# Allegro board RK_NVR_DEMO_RK3568_DDR4P216SD4_V12_20201221YWQ_final.brd (continued)
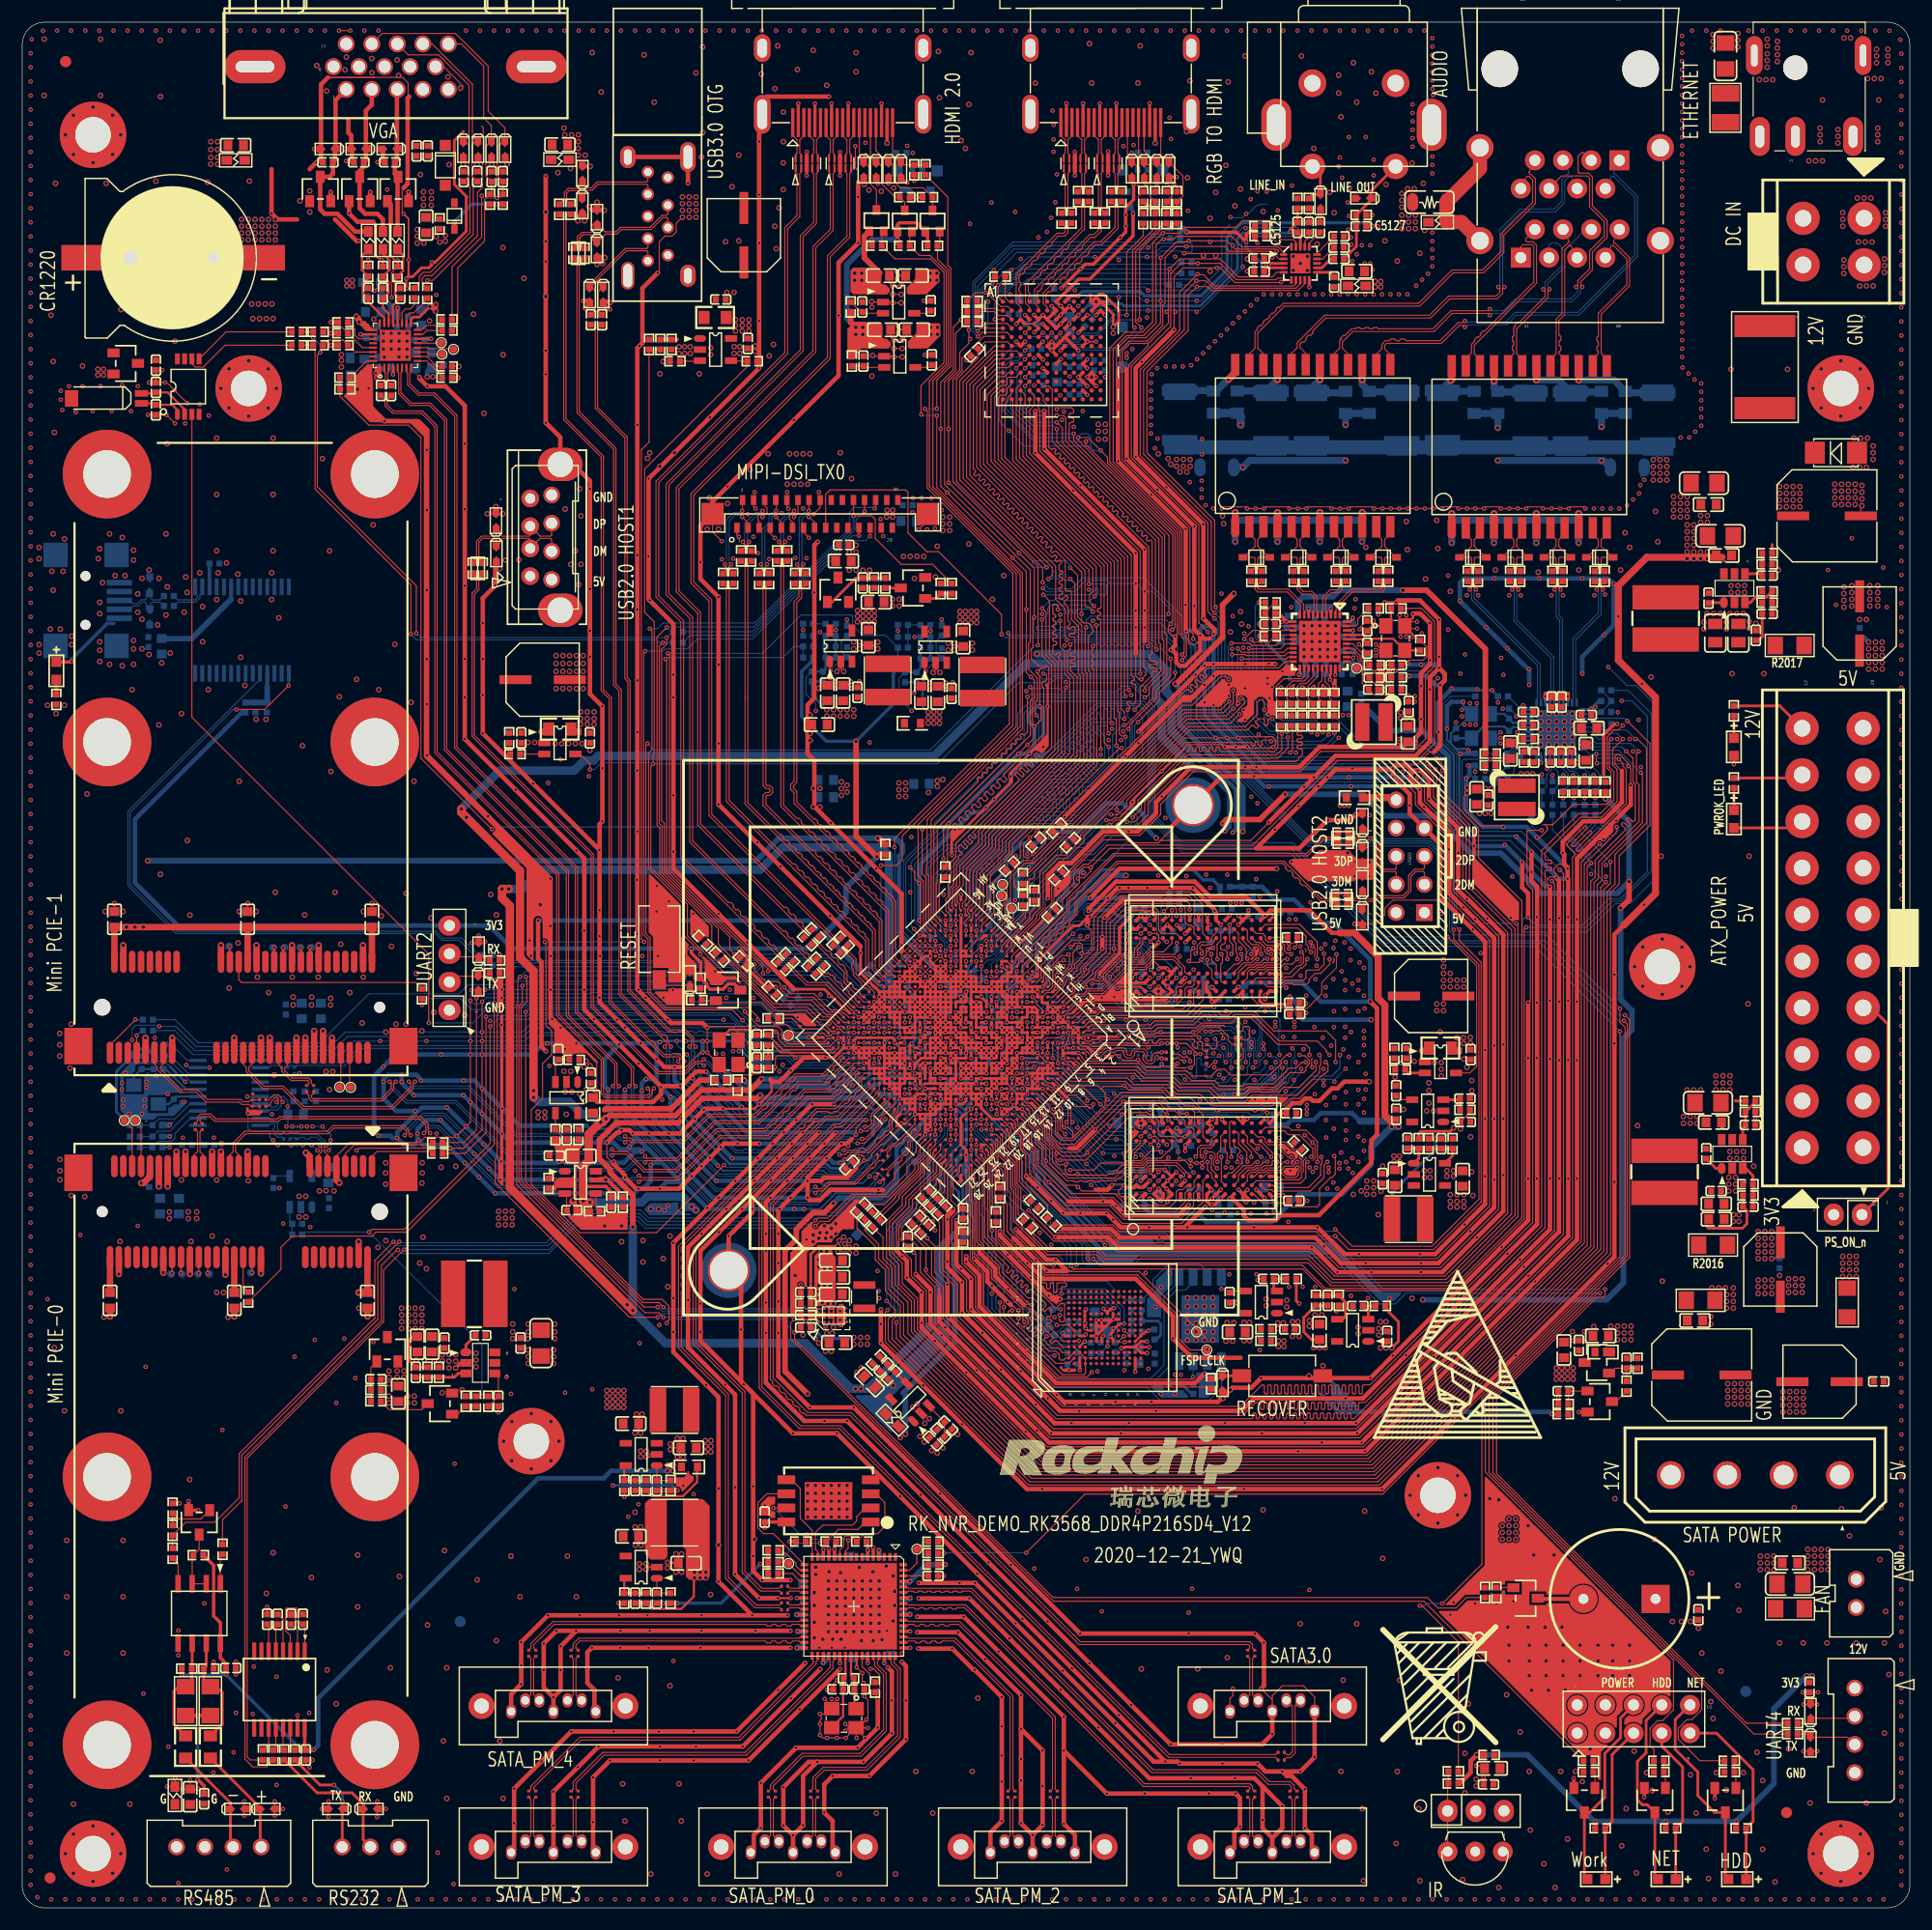
[diagram p0: board, top side]
## Routing (per net, layer and track width the routed paths; a pad name or vN(x,y) marks a point on that pad's centre or on a via; arc(x,y) is an arc through that point) (continued)
GMAC0_RXD1: length 140.6
  TOP w0.102: U1000.H25 v1(82.74,70.16) ; v1(143.1,94.28) 143.1,94.28 143.1,92.35 142.49,91.75 142.49,59.18 122.02,38.71 90.93,38.71 78.38,51.26 78.38,52.97 78.69,53.27 78.69,53.9 v1(77.89,54.7)
  BOTTOM w0.089: 81.29,68.24 81.48,68.43
  BOTTOM w0.102: v1(143.1,94.28) 139.82,97.56 R6741.2 ; 81.29,68.24 80.92,67.88 80.92,64.03 77.89,61 v1(77.89,54.7) ; 81.48,68.43 82.74,69.69 v1(82.74,70.16)
GMAC0_RXD2: length 137.9
  TOP w0.102: U1000.E27 83.2,67.88 82.41,67.09 82.41,66.36 79.91,63.86 79.91,63.2 78.42,61.71 78.42,58.99 79.3,58.12 79.3,56.3 80.67,54.93 80.67,52.14 92.03,40.78 121.17,40.78 140.47,60.07 140.47,94.26 v1(142.14,95.93)
  BOTTOM w0.102: R6742.2 140.91,98.52 141.29,98.15 141.29,98 140.71,97.42 140.71,97.29 140.79,97.2 140.92,97.2 141.51,97.79 141.64,97.79 141.73,97.71 141.73,97.58 141.14,96.99 141.14,96.86 141.23,96.77 141.35,96.77 141.94,97.36 142.07,97.36 142.16,97.27 142.16,97.15 141.57,96.56 141.57,96.43 141.66,96.34 141.78,96.34 142.37,96.93 142.5,96.93 142.99,96.45 142.99,96.3 142.45,95.76 142.3,95.76 v1(142.14,95.93)
GMAC0_RXD3: length 135.9
  TOP w0.102: v1(143.64,97.43) 143.64,96.94 140.75,94.05 140.75,59.95 121.29,40.49 91.92,40.49 80.38,52.02 80.38,54.81 78.99,56.2 78.99,58.01 78.13,58.88 78.13,61.83 79.6,63.3 79.6,63.93 82.07,66.4 82.07,67.19 U1000.E28
  BOTTOM w0.102: R6743.2 141.75,98.12 141.92,97.95 142.05,97.95 142.31,98.21 142.43,98.21 142.52,98.12 142.52,97.99 142.26,97.73 142.26,97.61 142.35,97.52 142.48,97.52 142.74,97.77 142.86,97.77 142.95,97.69 142.95,97.56 142.7,97.3 142.7,97.18 143.2,96.67 143.35,96.67 143.81,97.13 143.81,97.27 v1(143.64,97.43)
GMAC0_RXDV_CRS: length 139.4
  TOP w0.102: v1(142.69,92.46) 142.23,91.99 142.23,59.37 121.87,39.01 91.08,39.01 91.06,39.03 78.76,51.34 v1(78.76,52.77) ; U1000.F24 v1(84.12,69.7)
  BOTTOM w0.102: R6745.2 137.89,97.16 142.59,92.46 v1(142.69,92.46) ; v1(78.76,52.77) 78.89,52.9 78.89,60.05 83.16,64.31 83.16,68.17 84.12,69.14 v1(84.12,69.7)
GMAC0_TXCLK: length 143.5
  TOP w0.102: R1510.2 80.57,63.45 80.57,63.04 78.99,61.47 78.99,59.54 80.11,58.42 80.11,56.97 81.45,55.64 81.45,52.47 92.36,41.55 120.85,41.55 139.69,60.39 139.69,94.7 139.9,94.9 139.9,95.03 139.16,95.77 139.16,95.89 140.77,97.5 140.9,97.5 140.99,97.42 140.99,97.29 139.59,95.89 139.59,95.77 139.68,95.68 139.81,95.68 141.2,97.07 141.33,97.07 141.42,96.98 141.42,96.86 140.02,95.46 140.02,95.33 140.11,95.25 140.24,95.25 144.53,99.53 144.53,102.62 144.22,102.92 144.22,103.17 v1(143.86,103.53)
  BOTTOM w0.102: v1(143.86,103.53) 143.76,103.63 141.6,103.63 140.81,104.42 U6700.20
GMAC0_TXD0: length 138.5
  TOP w0.102: v1(144.53,104.24) 145.14,103.63 145.14,101.49 145.34,101.29 145.34,98.04 145.22,97.93 145.1,97.93 144.77,98.26 144.64,98.26 144.55,98.17 144.55,98.04 144.88,97.71 144.88,97.59 144.79,97.5 144.67,97.5 144.33,97.83 144.21,97.83 144.12,97.74 144.12,97.61 144.45,97.28 144.45,97.15 141.73,94.43 141.73,92.92 141.33,92.51 141.33,59.61 121.64,39.93 91.66,39.93 79.81,51.79 79.81,54.58 78.38,56 78.38,57.7 77.56,58.52 77.56,60.44 R1511.2
  BOTTOM w0.102: v1(144.53,104.24) 144.12,104.65 141.71,104.65 141.13,105.22 U6700.18
GMAC0_TXD1: length 139.4
  TOP w0.102: v1(145.64,104.24) 145.44,104.04 145.44,101.47 145.68,101.23 145.68,97.93 142.03,94.29 142.03,92.81 141.62,92.4 141.62,59.53 121.72,39.62 91.41,39.62 79.41,51.62 79.41,54.41 78.08,55.75 78.08,57.61 77.17,58.52 77.17,59.84 75.93,61.08 R1512.2
  BOTTOM w0.102: U6700.17 141.14,105.62 141.81,104.95 144.93,104.95 v1(145.64,104.24)
GMAC0_TXD2: length 140.8
  TOP w0.102: R1508.2 82.96,62.15 82.96,57.51 84.28,56.18 84.28,53.38 93.27,44.39 109.96,44.39 111.14,45.57 111.49,45.57 111.58,45.48 111.58,45 111.67,44.91 111.79,44.91 111.88,45 111.88,45.48 111.97,45.57 112.1,45.57 112.19,45.48 112.19,45 112.28,44.91 112.4,44.91 112.49,45 112.49,45.48 112.58,45.57 112.71,45.57 112.8,45.48 112.8,45 112.89,44.91 113.01,44.91 113.1,45 113.1,45.48 113.19,45.57 113.32,45.57 113.41,45.48 113.41,45 113.5,44.91 113.62,44.91 113.71,45 113.71,45.48 113.8,45.57 113.93,45.57 114.02,45.48 114.02,45 114.11,44.91 114.23,44.91 114.32,45 114.32,45.48 114.41,45.57 114.54,45.57 114.63,45.48 114.63,45 114.72,44.91 114.84,44.91 114.93,45 114.93,45.48 115.02,45.57 115.15,45.57 115.24,45.48 115.24,45 115.33,44.91 115.45,44.91 115.54,45 115.54,45.48 115.63,45.57 115.76,45.57 115.85,45.48 115.85,45 115.93,44.91 116.06,44.91 116.15,45 116.15,45.48 116.24,45.57 116.37,45.57 116.46,45.48 116.46,45 116.54,44.91 116.67,44.91 116.76,45 116.76,45.48 116.85,45.57 116.98,45.57 117.06,45.48 117.06,45 117.15,44.91 117.28,44.91 117.37,45 117.37,45.48 117.46,45.57 117.59,45.57 117.67,45.48 117.67,45 117.76,44.91 117.89,44.91 117.98,45 117.98,45.48 118.07,45.57 118.19,45.57 118.28,45.48 118.28,45 118.37,44.91 118.5,44.91 118.59,45 118.59,45.48 118.68,45.57 118.8,45.57 118.89,45.48 118.89,45 118.98,44.91 119.11,44.91 119.2,45 119.2,45.48 119.29,45.57 119.41,45.57 119.5,45.48 119.5,45 119.59,44.91 119.72,44.91 119.81,45 119.81,45.48 119.9,45.57 120.02,45.57 120.11,45.48 120.11,45 120.2,44.91 120.33,44.91 120.42,45 120.42,45.48 120.51,45.57 121.02,45.57 136.91,61.46 136.91,95.3 140.26,98.65 142.21,98.65 143.41,99.85 143.41,102.41 143,102.82 143,105.17 v1(143.2,105.36)
  BOTTOM w0.102: v1(143.2,105.36) 142.01,105.36 141.35,106.02 U6700.16
GMAC0_TXD3: length 142
  TOP w0.102: v1(144.22,105.36) 143.31,104.44 143.31,103.02 143.71,102.62 143.71,99.73 142.29,98.3 140.41,98.3 137.21,95.1 137.21,94.53 137.3,94.44 137.73,94.44 137.82,94.35 137.82,94.22 137.73,94.13 137.3,94.13 137.21,94.04 137.21,93.92 137.3,93.83 137.73,93.83 137.82,93.74 137.82,93.61 137.73,93.52 137.3,93.52 137.21,93.43 137.21,61.32 119.98,44.08 119.8,44.08 119.71,44.17 119.71,44.51 119.62,44.6 119.5,44.6 119.41,44.51 119.41,44.17 119.32,44.08 119.19,44.08 119.1,44.17 119.1,44.51 119.01,44.6 118.89,44.6 118.8,44.51 118.8,44.17 118.71,44.08 118.58,44.08 118.49,44.17 118.49,44.51 118.4,44.6 118.28,44.6 118.19,44.51 118.19,44.17 118.1,44.08 117.97,44.08 117.88,44.17 117.88,44.51 117.79,44.6 117.67,44.6 117.58,44.51 117.58,44.17 117.49,44.08 117.36,44.08 117.27,44.17 117.27,44.51 117.18,44.6 117.06,44.6 116.97,44.51 116.97,44.17 116.88,44.08 116.75,44.08 116.66,44.17 116.66,44.51 116.57,44.6 116.45,44.6 116.36,44.51 116.36,44.17 116.27,44.08 116.14,44.08 116.05,44.17 116.05,44.51 115.96,44.6 115.84,44.6 115.75,44.51 115.75,44.17 115.66,44.08 115.53,44.08 115.44,44.17 115.44,44.51 115.35,44.6 115.23,44.6 115.14,44.51 115.14,44.17 115.05,44.08 114.92,44.08 114.83,44.17 114.83,44.51 114.75,44.6 114.62,44.6 114.53,44.51 114.53,44.17 114.44,44.08 114.31,44.08 114.22,44.17 114.22,44.51 114.14,44.6 114.01,44.6 113.92,44.51 113.92,44.17 113.83,44.08 113.7,44.08 113.62,44.17 113.62,44.51 113.53,44.6 113.4,44.6 113.31,44.51 113.31,44.17 113.22,44.08 113.09,44.08 113.01,44.17 113.01,44.51 112.92,44.6 112.79,44.6 112.7,44.51 112.7,44.17 112.61,44.08 112.49,44.08 112.4,44.17 112.4,44.51 112.31,44.6 112.18,44.6 112.09,44.51 112.09,44.17 112,44.08 111.88,44.08 111.79,44.17 111.79,44.51 111.7,44.6 111.57,44.6 111.48,44.51 111.48,44.17 111.39,44.08 111.27,44.08 111.18,44.17 111.18,44.51 111.09,44.6 110.96,44.6 110.87,44.51 110.87,44.17 110.78,44.08 93.14,44.08 83.97,53.25 83.97,56.08 82.65,57.4 82.65,61.77 81.83,62.6 R1509.2
  BOTTOM w0.102: v1(144.22,105.36) 143.71,105.87 141.88,105.87 141.33,106.42 U6700.15
GMAC0_TXEN: length 139.9
  TOP w0.102: v1(145.85,102.33) 145.98,102.19 145.98,97.8 142.34,94.16 142.34,92.61 141.92,92.2 141.92,59.42 121.82,39.32 91.29,39.32 79.11,51.5 79.11,54.29 77.77,55.62 77.77,57.51 76.86,58.42 76.86,59.64 75.22,61.28 R1513.2
  BOTTOM w0.102: U6700.19 141.13,104.82 141.6,104.34 143.84,104.34 145.85,102.33 v1(145.85,102.33)
GMAC1_MCLKINOUT_M1: length 53.8
  TOP w0.102: R6810.1 C6803.1 123.7,111.68 123.7,111.53 v1(123.72,111.51) ; v1(127.56,110.85) 127.25,110.54 127.25,104.95 125.73,103.43 118.52,103.43 110.89,95.8 97.79,95.8 96.04,94.06 95.61,94.06 94.74,93.19 94.74,92.31 93.22,90.79 93.22,90.44 93.13,90.35 R1667.2
  BOTTOM w0.102: v1(127.56,110.85) 126.9,111.51 v1(123.72,111.51) 123.7,111.53 123.7,111.6 123.34,111.96 R6813.1
GMAC1_MDC_M1: length 55.4
  TOP w0.089: U1000.U5 v1(87.34,83.95)
  TOP w0.102: v1(110.11,114.38) 110.88,115.15 U6800.13 ; v1(114.05,105.51) 114.05,104.55 113.13,103.63 105.11,103.63 101.14,99.67 101.14,98.81 100.23,97.89 v1(99.54,97.89)
  BOTTOM w0.089: v1(87.34,83.95) 87.34,85.1 89.03,86.79 89.03,86.94 89.66,87.58 89.66,87.76
  BOTTOM w0.102: v1(114.05,105.51) 114,105.46 113.1,105.46 112.79,105.77 112.32,105.77 110.89,107.19 110.89,113.68 110.2,114.38 v1(110.11,114.38) ; 89.66,87.76 89.66,88.4 91.47,90.21 91.47,91.62 95.12,95.28 96.27,95.28 97.92,96.93 98.58,96.93 v1(99.54,97.89)
GMAC1_MDIO_M1: length 52.5
  TOP w0.089: U1000.U4 v1(87.8,84.41)
  TOP w0.102: v1(113.48,105.84) 113.48,104.39 113.03,103.94 105,103.94 100.84,99.77 100.84,99.09 v1(100.05,98.3) ; U6800.14 113,114.75 R6837.2 112.35,114.1 110.99,114.1 v1(110.76,114.33)
  BOTTOM w0.089: 89.92,87.51 89.92,87.41 87.8,85.29 v1(87.8,84.41)
  BOTTOM w0.102: v1(110.76,114.33) 110.76,114.2 111.2,113.76 111.2,107.32 112.45,106.07 113.25,106.07 v1(113.48,105.84) ; v1(100.05,98.3) 100.05,97.89 98.78,96.62 98.22,96.62 96.54,94.95 95.3,94.95 91.77,91.41 91.77,90.13 89.92,88.27 89.92,87.51
GMAC1_RSTN_GPIO1_B1: length 132.2
  TOP w0.102: v1(127.46,103.63) 127.46,103.53 128.37,102.62 128.37,100.18 131.22,97.33 131.22,94.67 135.12,90.76 135.12,62.19 128.77,55.83 117.42,55.83 115.31,57.94 97.08,57.94 v1(96.52,58.5) ; R6839.1 v1(111.43,117.68) ; U1000.E20 v1(86.42,71.08)
  BOTTOM w0.089: v1(86.42,71.08) 86.96,71.08 87.83,70.21
  BOTTOM w0.102: v1(111.43,117.68) 111.1,117.35 111.1,114.49 111.81,113.79 111.81,108.71 113.51,107.01 116.59,107.01 117.02,106.58 118.54,106.58 120.65,104.47 126.62,104.47 v1(127.46,103.63) ; 87.83,70.21 87.83,70.13 90.42,67.54 90.42,66.97 90.94,66.46 90.94,64.91 96.52,59.32 v1(96.52,58.5)
GMAC1_RXCLK_M1: length 44.1
  TOP w0.102: v1(98.09,98.55) 98.7,98.55 99.52,99.36 99.52,99.82 104.75,105.05 110.68,105.05 110.77,104.97 110.77,104.84 110.86,104.75 110.98,104.75 111.07,104.84 111.07,105.07 111.16,105.16 111.29,105.16 111.38,105.07 111.38,104.84 111.47,104.75 111.59,104.75 111.68,104.84 111.68,105.16 111.79,105.26 112.42,105.26 v1(112.52,105.16) ; R6844.2 v1(118.25,105.9) ; U1000.Y3 v1(87.34,86.71)
  BOTTOM w0.102: v1(98.09,98.55) 97.7,98.55 95.49,96.34 93.24,96.34 91.83,94.93 91.83,94.43 89.87,92.46 89.87,90.73 89.02,89.88 C6822.1 88.49,89.51 88.49,88.93 88.49,88.93 88.49,88.02 87.34,86.87 v1(87.34,86.71) ; v1(112.52,105.16) 112.83,105.16 113.13,104.85 117.5,104.85 118.25,105.6 v1(118.25,105.9)
GMAC1_RXD0_M1: length 42.4
  TOP w0.102: v1(111.91,108) 111.91,108.71 111.73,108.89 111.48,108.89 111.3,108.71 111.3,107.59 110.19,106.48 105.11,106.48 95.35,96.72 95.35,96.22 94.03,94.89 93.22,94.89 91.69,93.37 91.69,90.12 91.08,89.51 91.08,89.25 88.72,86.88 U1000.W1 ; v1(116.18,105.97) 116.32,106.1 R6840.2
  BOTTOM w0.102: v1(116.18,105.97) 115.65,106.5 112.8,106.5 111.91,107.39 v1(111.91,108)
GMAC1_RXD1_M1: length 45.4
  TOP w0.102: v1(86.42,84.87) 86.42,83.95 U1000.V7 ; R6841.2 115.35,106.09 115.26,106 114.95,106 114.86,105.91 114.86,105.78 114.95,105.7 115.26,105.7 115.35,105.61 115.35,105.48 115.26,105.39 114.95,105.39 114.86,105.3 114.86,105.18 114.95,105.09 115.26,105.09 115.35,105 115.35,104.87 115.26,104.78 114.95,104.78 114.86,104.69 114.86,104.57 114.95,104.48 115.26,104.48 115.35,104.39 115.35,103.92 114.76,103.33 105.21,103.33 101.45,99.57 101.45,98.55 100.33,97.43 98.91,97.43 v1(98.7,97.64)
  BOTTOM w0.089: v1(86.42,84.87) 87,85.45 87.38,85.45 88.77,86.84 88.77,87.07 89.41,87.71 89.41,88.02
  BOTTOM w0.102: 89.41,88.02 89.41,88.53 91.16,90.28 91.16,91.82 94.92,95.58 96.06,95.58 97.71,97.23 98.3,97.23 v1(98.7,97.64)
GMAC1_RXD2_M1: length 43.3
  TOP w0.102: U1000.AA2 87.34,87.63 88.54,88.83 88.54,90.32 89.05,90.83 89.05,92.96 89.05,93.27 90.19,94.41 91,94.41 104.6,108 108.01,108 v1(108.76,108.75) ; R6842.2 114.45,106.48 114.45,104.34 v1(114.25,104.14)
  BOTTOM w0.102: v1(108.76,108.75) 108.76,107.9 112.52,104.14 v1(114.25,104.14)
GMAC1_RXD3_M1: length 41.7
  TOP w0.102: v1(97.98,97.64) 98.09,97.64 98.5,98.04 99.11,98.04 100.53,99.47 100.53,99.82 104.95,104.24 105.04,104.24 105.13,104.33 105.13,104.56 105.22,104.65 105.35,104.65 105.44,104.56 105.44,104.33 105.53,104.24 105.65,104.24 105.74,104.33 105.74,104.56 105.83,104.65 105.96,104.65 106.05,104.56 106.05,104.33 106.14,104.24 106.26,104.24 106.35,104.33 106.35,104.56 106.44,104.65 106.57,104.65 106.66,104.56 106.66,104.33 106.75,104.24 106.87,104.24 106.96,104.33 106.96,104.56 107.05,104.65 107.18,104.65 107.27,104.56 107.27,104.33 107.36,104.24 107.48,104.24 107.57,104.33 107.57,104.56 107.66,104.65 107.79,104.65 107.88,104.56 107.88,104.33 107.97,104.24 112.83,104.24 113.13,104.55 113.13,106.26 R6843.2 ; U1000.Y4 v1(86.88,86.25)
  BOTTOM w0.102: v1(97.98,97.64) 97.64,97.64 95.93,95.93 93.85,95.93 93.32,95.4 93.32,95.15 90.55,92.38 90.55,90.31 88.9,88.66 88.9,87.83 88.16,87.09 88.16,86.79 87.56,86.19 86.94,86.19 v1(86.88,86.25)
GMAC1_RXDV_CRS_M1: length 43
  TOP w0.102: R6845.2 117.28,106.05 v1(117.2,105.97) ; v1(112.62,107.19) 112.32,107.19 112.24,107.1 112.24,106.67 112.15,106.58 112.02,106.58 111.93,106.67 111.93,107.1 111.84,107.19 111.4,107.19 111.14,106.93 111.14,106.8 111.37,106.57 111.37,106.45 111.28,106.36 111.16,106.36 110.93,106.59 110.8,106.59 110.39,106.17 105.21,106.17 95.66,96.62 95.66,96.11 94.13,94.59 93.34,94.59 92,93.24 92,90.08 91.39,89.47 91.39,89.2 89.15,86.97 89.15,86.68 88.72,86.25 U1000.V2
  BOTTOM w0.102: v1(112.62,107.19) 113.06,106.76 116.2,106.76 116.98,105.97 v1(117.2,105.97)
GMAC1_TXCLK_M1: length 32.8
  TOP w0.102: R1645.2 91.66,96.66 99.19,104.2 99.27,104.2 104.9,109.84 105.03,109.84 105.26,109.61 105.39,109.61 105.48,109.7 105.48,109.82 105.25,110.05 105.25,110.18 105.34,110.27 105.47,110.27 105.7,110.04 105.82,110.04 105.91,110.13 105.91,110.25 105.68,110.48 105.68,110.61 105.77,110.7 105.9,110.7 106.13,110.47 106.25,110.47 106.34,110.56 106.34,110.68 106.11,110.91 106.11,111.04 106.2,111.13 106.33,111.13 106.56,110.9 106.68,110.9 106.77,110.99 106.77,111.12 106.54,111.35 106.54,111.47 106.83,111.76 113.21,111.76 113.8,112.35 U6800.20
GMAC1_TXD0_M1: length 38.4
  TOP w0.102: v1(109.02,112.98) 110.19,112.98 110.29,112.88 113.77,112.88 114.04,113.15 U6800.18 ; R1650.2 89.36,92.09 89.36,93.17 90.37,94.18 91.19,94.18 104.73,107.73 108.24,107.73 109.12,108.6 v1(109.12,109.73)
  BOTTOM w0.102: v1(109.12,109.73) 109.12,111.1 109.02,111.2 v1(109.02,112.98)
GMAC1_TXD1_M1: length 36
  TOP w0.102: v1(109.12,108.1) 108.46,107.44 104.85,107.44 90.98,93.57 90.62,93.21 R1652.2 ; v1(109.53,113.53) 109.87,113.18 113.66,113.18 114.03,113.55 U6800.17
  BOTTOM w0.102: v1(109.12,108.1) 109.12,109.17 109.53,109.58 v1(109.53,113.53)
GMAC1_TXD2_M1: length 30.2
  TOP w0.102: v1(110.54,113.53) 110.54,113.53 110.59,113.49 113.36,113.49 113.82,113.95 U6800.16 ; v1(109.68,107.6) 108.85,106.78 105,106.78 94.76,96.53 R1641.2
  BOTTOM w0.102: v1(110.54,113.53) 110.54,109.03 109.68,108.16 v1(109.68,107.6)
GMAC1_TXD3_M1: length 30.1
  TOP w0.102: v1(108.97,114) 110.59,114 110.79,113.79 112.95,113.79 113.51,114.35 U6800.15 ; R1643.2 93.84,97.65 104.6,108.41 105.41,108.41 108,111 108.45,111 v1(108.71,110.74)
  BOTTOM w0.102: v1(108.71,110.74) 108.66,110.79 108.66,113.69 v1(108.97,114)
GMAC1_TXEN_M1: length 36.8
  TOP w0.102: v1(109.83,109.02) 110.04,109.02 110.14,108.92 110.14,108.56 108.73,107.16 104.97,107.16 91.19,93.37 91.19,92.85 91.08,92.75 90.78,92.75 90.68,92.65 90.68,92.44 90.78,92.34 91.08,92.34 91.19,92.24 R1654.2 ; U6800.19 114.04,112.75 113.87,112.57 109.93,112.57 v1(109.88,112.62)
  BOTTOM w0.102: v1(109.88,112.62) 109.83,112.58 109.83,109.02 v1(109.83,109.02)
GPIO2_A6: length 4.6
  TOP w0.102: U1000.C27 84.12,66.95 83.36,66.19 83.36,63.4 R1508.1
GPIO2_A7: length 3.5
  TOP w0.102: U1000.C28 83.66,66.85 83.06,66.24 83.06,64.52 R1509.1
GPIO2_B0: length 4
  TOP w0.102: R1510.1 82.35,65.23 82.35,65.66 82.85,66.17 82.85,66.42 83.29,66.85 83.29,67.03 83.66,67.4 U1000.D27
GPIO2_B3: length 8.4
  TOP w0.102: U1000.F28 82.04,68.08 82.04,67.77 81.12,66.85 81.12,66.31 78.99,64.19 78.99,63.9 77.28,62.18 R1511.1
GPIO2_B4: length 9.4
  TOP w0.102: U1000.G27 82.28,68.78 81.84,68.34 81.84,67.86 80.91,66.93 80.91,66.39 78.69,64.17 78.69,64.02 77.37,62.7 R1512.1
GPIO2_B5: length 8.9
  TOP w0.102: U1000.G28 81.64,68.6 81.64,68 80.71,67.07 80.71,66.48 77.65,63.41 R1513.1
GPIO2_C1: length 10.9
  TOP w0.102: R1515.1 v1(82.04,61.87) ; U1000.G23 v1(84.12,70.62)
  BOTTOM w0.089: 83.46,66.06 83.46,68.17 84.45,69.16 84.45,70.29 v1(84.12,70.62)
  BOTTOM w0.102: 83.46,66.06 83.46,64.01 82.04,62.59 v1(82.04,61.87)
GPIO2_C2: length 8.6
  TOP w0.102: U1000.F25 v1(83.66,69.24) ; R1516.1 81.23,62.69 v1(81.23,62.89)
  BOTTOM w0.089: 82.35,67.18 82.96,67.79 82.96,68.54 v1(83.66,69.24)
  BOTTOM w0.102: 82.35,67.18 82.35,64.01 v1(81.23,62.89)
GPIO3_D6_D: length 14.8
  TOP w0.102: U1000.Y6 v1(85.96,85.33) ; R1641.1 v1(93.73,95.3)
  BOTTOM w0.102: v1(85.96,85.33) 86.46,85.33 86.89,85.75 87.21,85.75 87.44,85.98 87.64,85.98 88.52,86.86 88.52,87.1 89.15,87.74 89.15,88.62 90.86,90.32 90.86,92.25 93.73,95.12 v1(93.73,95.3)
GPIO3_D7_D: length 15.6
  TOP w0.102: v1(92.58,96.48) 92.58,96.7 R1643.1 ; U1000.Y5 v1(86.42,85.79)
  BOTTOM w0.089: 87.63,89.8 87.63,88.26 87.06,87.69 86.67,87.69 86.67,87.68 86.36,87.38 86.36,87.11 86.1,86.84 86.1,86.11 v1(86.42,85.79)
  BOTTOM w0.102: v1(92.58,96.48) 91.65,95.55 90.34,95.55 90.02,95.23 90.02,94.19 87.63,91.81 87.63,89.8
GPIO4_A0_D: length 10.9
  TOP w0.102: v1(90.57,95) 90.57,95.3 R1645.1 ; v1(86.88,87.17) 86.88,87.17 U1000.AA3
  BOTTOM w0.089: v1(86.88,87.17) 86.92,87.21 87.13,87.21 88.09,88.16 88.09,89.34
  BOTTOM w0.102: 88.09,89.34 88.09,91.69 90.57,94.17 v1(90.57,95)
GPIO4_A4_D: length 4.7
  TOP w0.102: U1000.Y2 87.8,87.17 87.8,87.17 90.17,89.54 R1650.1
GPIO4_A5_D: length 6.4
  TOP w0.102: R1652.1 90.68,91.8 90.68,90.02 90.37,89.71 90.37,89.28 U1000.Y1
GPIO4_A6_D: length 5.8
  TOP w0.102: U1000.W2 88.26,86.71 90.78,89.23 90.78,89.71 91.19,90.12 R1654.1
GPIO4_B3_D: length 8.1
  TOP w0.102: U1000.V1 89.18,86.42 89.41,86.65 89.41,86.93 91.69,89.22 91.69,89.49 92.77,90.56 92.77,92.41 R1660.1
GPIO4_C1_D: length 5.5
  TOP w0.102: U1000.U2 89.18,85.8 89.82,86.44 89.94,86.44 92.49,88.99 R1667.1
HDD_LED+: length 14.2
  TOP w0.254: LED9002.1 R9005.2 149.61,7.79 149.61,12.7 147.73,14.58 J9001.7
HDD_LED-: length 17.6
  TOP w0.254: LED9002.2 147.11,2.86 Q9002.3 146.41,9.3 145.97,9.3 145.53,9.74 145.53,13.2 146.32,13.98 146.32,16.88 J9001.8
HDD_LED_EN_H_GPIO4_C5: length 175.7
  TOP w0.102: R9008.1 147.02,14.27 146.68,14.61 146.68,16.18 147.36,16.87 147.8,16.87 148.78,17.85 148.78,22.34 131.83,39.29 131.83,45.95 144.62,58.75 144.62,79.67 v1(144.32,79.98) ; U1000.AD8 v1(83.2,86.25)
  BOTTOM w0.102: v1(83.2,86.25) 83.1,86.35 83.1,87 81.4,88.69 81.4,93.96 83.26,95.81 84.07,95.81 96.82,108.56 100.89,108.56 101.65,107.8 101.65,98.31 104.56,95.4 114.38,95.4 122.81,86.97 136.8,86.97 143.8,79.98 v1(144.32,79.98)
HDMI14_TX0N: length 10.7
  TOP w0.097: U5100.A5 91.45,144.9 91.45,145.71 91.49,145.75 91.65,145.75 91.86,145.96 91.86,146.16 92.06,146.37 92.26,146.37 92.47,146.57 92.47,146.77 92.67,146.98 92.88,146.98 93.08,147.18 93.08,147.39 93.29,147.59 93.49,147.59 93.69,147.8 93.69,148 93.9,148.2 94.1,148.2 94.31,148.41 94.31,148.61 94.5,148.81 94.72,148.81 94.92,149.01 94.92,149.22 95.11,149.42 95.33,149.42 95.53,149.62 95.53,149.83 96.27,150.58 96.65,150.58 97.22,151.15 97.22,151.54 R5106.1
HDMI14_TX0N_PORT: length 8.5
  TOP w0.097: J5100.9 97.59,159.74 97.22,159.38 97.22,158.17 97.35,158.05 U5104.9 U5104.2 97.35,156.45 97.22,156.33 97.22,153.11 R5106.2
HDMI14_TX0P: length 10.8
  TOP w0.097: R5104.1 96.97,151.54 96.97,151.25 96.55,150.83 96.17,150.83 91.2,145.86 91.2,144.65 91.56,144.29 U5100.B5
HDMI14_TX0P_PORT: length 8.6
  TOP w0.097: R5104.2 96.97,153.11 96.97,156.33 96.85,156.45 U5104.1 U5104.10 96.85,158.05 96.97,158.17 96.97,159.37 96.59,159.76 J5100.7
HDMI14_TX1N: length 12.1
  TOP w0.097: R5103.1 95.72,153.47 95.72,151.35 94.29,149.91 94.29,149.7 94.09,149.5 93.88,149.5 93.65,149.28 93.65,149.06 93.46,148.87 93.24,148.87 93,148.62 93,148.42 92.79,148.21 92.59,148.21 92.38,148.01 92.38,147.81 92.18,147.6 91.97,147.6 91.77,147.4 91.77,147.19 91.57,146.99 91.36,146.99 91.16,146.78 91.16,146.58 90.95,146.38 90.75,146.38 90.65,146.27 90.65,145.67 90.78,145.54 90.78,145.25 90.65,145.12 90.65,144.9 U5100.A4
HDMI14_TX1N_PORT: length 6.6
  TOP w0.097: J5100.6 96.09,159.74 95.72,159.38 95.72,158.49 95.72,158.17 95.85,158.05 U5102.6 U5102.5 95.85,156.45 95.72,156.33 95.72,155.04 R5103.2
HDMI14_TX1P: length 12.2
  TOP w0.097: R5102.1 95.47,153.47 95.47,151.45 90.4,146.38 90.4,144.65 90.76,144.29 U5100.B4
HDMI14_TX1P_PORT: length 6.6
  TOP w0.097: J5100.4 95.09,159.76 95.47,159.37 95.47,158.6 95.47,158.17 95.35,158.05 U5102.7 U5102.4 95.35,156.45 95.47,156.33 95.47,155.04 R5102.2
HDMI14_TX2N: length 10.3
  TOP w0.097: U5100.A3 89.81,144.94 89.81,145.12 89.97,145.27 89.97,145.56 89.81,145.72 89.81,146.01 89.97,146.17 89.97,146.46 89.81,146.62 89.81,147.16 89.93,147.28 90.13,147.28 90.33,147.48 90.33,147.69 90.54,147.89 90.74,147.89 90.95,148.1 90.95,148.3 91.15,148.5 91.35,148.5 91.56,148.71 91.56,148.91 91.76,149.11 91.97,149.11 92.17,149.31 92.17,149.52 92.37,149.72 92.58,149.72 92.78,149.92 92.78,150.13 93.35,150.7 93.94,150.7 94.22,150.98 94.22,151.54 R5101.1
HDMI14_TX2N_PORT: length 8.5
  TOP w0.097: R5101.2 94.22,153.11 94.22,156.33 94.35,156.45 U5102.2 U5102.9 94.35,158.05 94.22,158.17 94.22,159.38 94.59,159.74 J5100.3
HDMI14_TX2P: length 10.4
  TOP w0.097: R5100.1 93.97,151.54 93.97,151.09 93.84,150.95 93.25,150.95 89.56,147.27 89.56,144.69 89.96,144.29 U5100.B3
HDMI14_TX2P_PORT: length 8.6
  TOP w0.097: J5100.1 93.59,159.76 93.97,159.37 93.97,158.17 93.85,158.05 U5102.10 U5102.1 93.85,156.45 93.97,156.33 93.97,153.11 R5100.2
HDMI14_TX_CEC: length 16.8
  TOP w0.102: v1(99.52,143.58) 99.52,149.25 101,150.74 R5113.1 ; U5100.E7 v1(93.56,141.99)
  BOTTOM w0.102: v1(93.56,141.99) 93.56,141.67 93.88,141.35 95.06,141.35 95.66,141.94 96.75,141.94 98.4,143.58 v1(99.52,143.58)
HDMI14_TX_CEC_PORT: length 9.2
  TOP w0.102: J5100.13 99.59,157.66 ED5103.1 100.12,157.28 100.5,156.9 100.5,155.21 R5109.2 100.57,154.27 100.57,153.16 R5113.2
HDMI14_TX_HPD_PORT: length 9.3
  TOP w0.102: J5100.19 102.59,158.01 ED5100.1 103.41,157.28 104.58,156.11 104.58,154.34 R5118.1 R5116.2
HDMI14_TX_HPDIN: length 20.4
  TOP w0.102: v1(100.68,143.14) 100.68,149.39 102.63,151.33 103.36,151.33 103.51,151.49 103.51,151.6 103.75,151.83 R5116.1 ; U5100.E6 v1(92.76,141.99)
  BOTTOM w0.102: v1(92.76,141.99) 92.76,141.97 93.59,141.14 95.15,141.14 95.74,141.74 96.84,141.74 98.25,143.14 v1(100.68,143.14)
HDMI14_TXCLKN: length 13
  TOP w0.097: R5110.1 98.72,153.47 98.72,151.38 97.29,149.94 96.72,149.94 96.09,149.3 96.09,149.09 95.89,148.89 95.67,148.89 95.48,148.69 95.48,148.46 95.27,148.26 95.04,148.26 94.84,148.05 94.84,147.82 94.63,147.61 94.4,147.61 94.19,147.41 94.19,147.18 93.99,146.97 93.76,146.97 93.55,146.77 93.55,146.54 93.35,146.33 93.11,146.33 92.91,146.13 92.91,145.89 92.71,145.69 92.47,145.69 92.25,145.46 92.25,144.9 U5100.A6
HDMI14_TXCLKN_PORT: length 6.6
  TOP w0.097: R5110.2 98.72,155.04 98.72,156.33 98.85,156.45 U5104.5 U5104.6 98.85,158.05 98.72,158.17 98.72,158.7 98.72,159.38 99.09,159.74 J5100.12
HDMI14_TXCLKP: length 13.1
  TOP w0.097: R5108.1 98.47,153.47 98.47,151.48 97.18,150.19 96.62,150.19 92,145.57 92,144.65 92.36,144.29 U5100.B6
HDMI14_TXCLKP_PORT: length 6.6
  TOP w0.097: R5108.2 98.47,155.04 98.47,156.33 98.35,156.45 U5104.4 U5104.7 98.35,158.05 98.47,158.17 98.47,158.8 98.47,159.37 98.09,159.76 J5100.10
HDMI14_TXDDC_SCL: length 20.6
  TOP w0.102: v1(100.23,142.44) 100.05,142.62 100.05,149.4 102.07,151.42 R5122.1 ; v1(91.96,141.99) 91.96,141.99 U5100.E5
  BOTTOM w0.102: v1(100.23,142.44) 100.23,142.14 98.7,140.61 95.72,140.61 95.39,140.94 93.5,140.94 92.81,141.63 92.45,141.63 92.1,141.99 v1(91.96,141.99)
HDMI14_TXDDC_SCL_PORT: length 9
  TOP w0.102: R5122.2 R5120.2 101.64,154.23 101.64,156.97 101.33,157.28 ED5102.1 100.59,157.78 J5100.15
HDMI14_TXDDC_SDA: length 23.7
  TOP w0.102: U5100.D4 v1(90.36,141.99) ; v1(100.84,142.44) 100.33,142.95 100.33,149.32 102.84,151.83 R5123.1
  BOTTOM w0.102: v1(90.36,141.99) 90.71,141.63 92.1,141.63 92.41,141.33 92.41,141.04 92.71,140.74 95.31,140.74 95.63,140.41 99.01,140.41 100.84,142.24 v1(100.84,142.44)
HDMI14_TXDDC_SDA_PORT: length 9.7
  TOP w0.102: R5123.2 103.09,153.75 R5121.2 103.59,154.26 103.59,155.02 103.21,155.4 103.01,155.4 102.78,155.63 102.78,156.95 102.45,157.28 ED5101.1 101.09,158.39 J5100.16
HDMI_TX0N: length 7.8
  TOP w0.097: U1000.AH20 75.72,82.11 75.47,82.36 75.47,82.57 75.26,82.78 75.06,82.78 74.85,82.98 74.85,83.19 74.65,83.39 74.44,83.39 74.32,83.51 74.32,84.43 74.12,84.63 74.12,84.83 73.92,85.03 73.72,85.03 73.51,85.24 73.51,85.44 73.31,85.65 73.1,85.65 72.9,85.85 72.9,86.05 72.69,86.26 72.49,86.26 71.79,86.96 R1707.1